# KiCad board rabbit_mask_capacitors_right.kicad_pcb (continued)
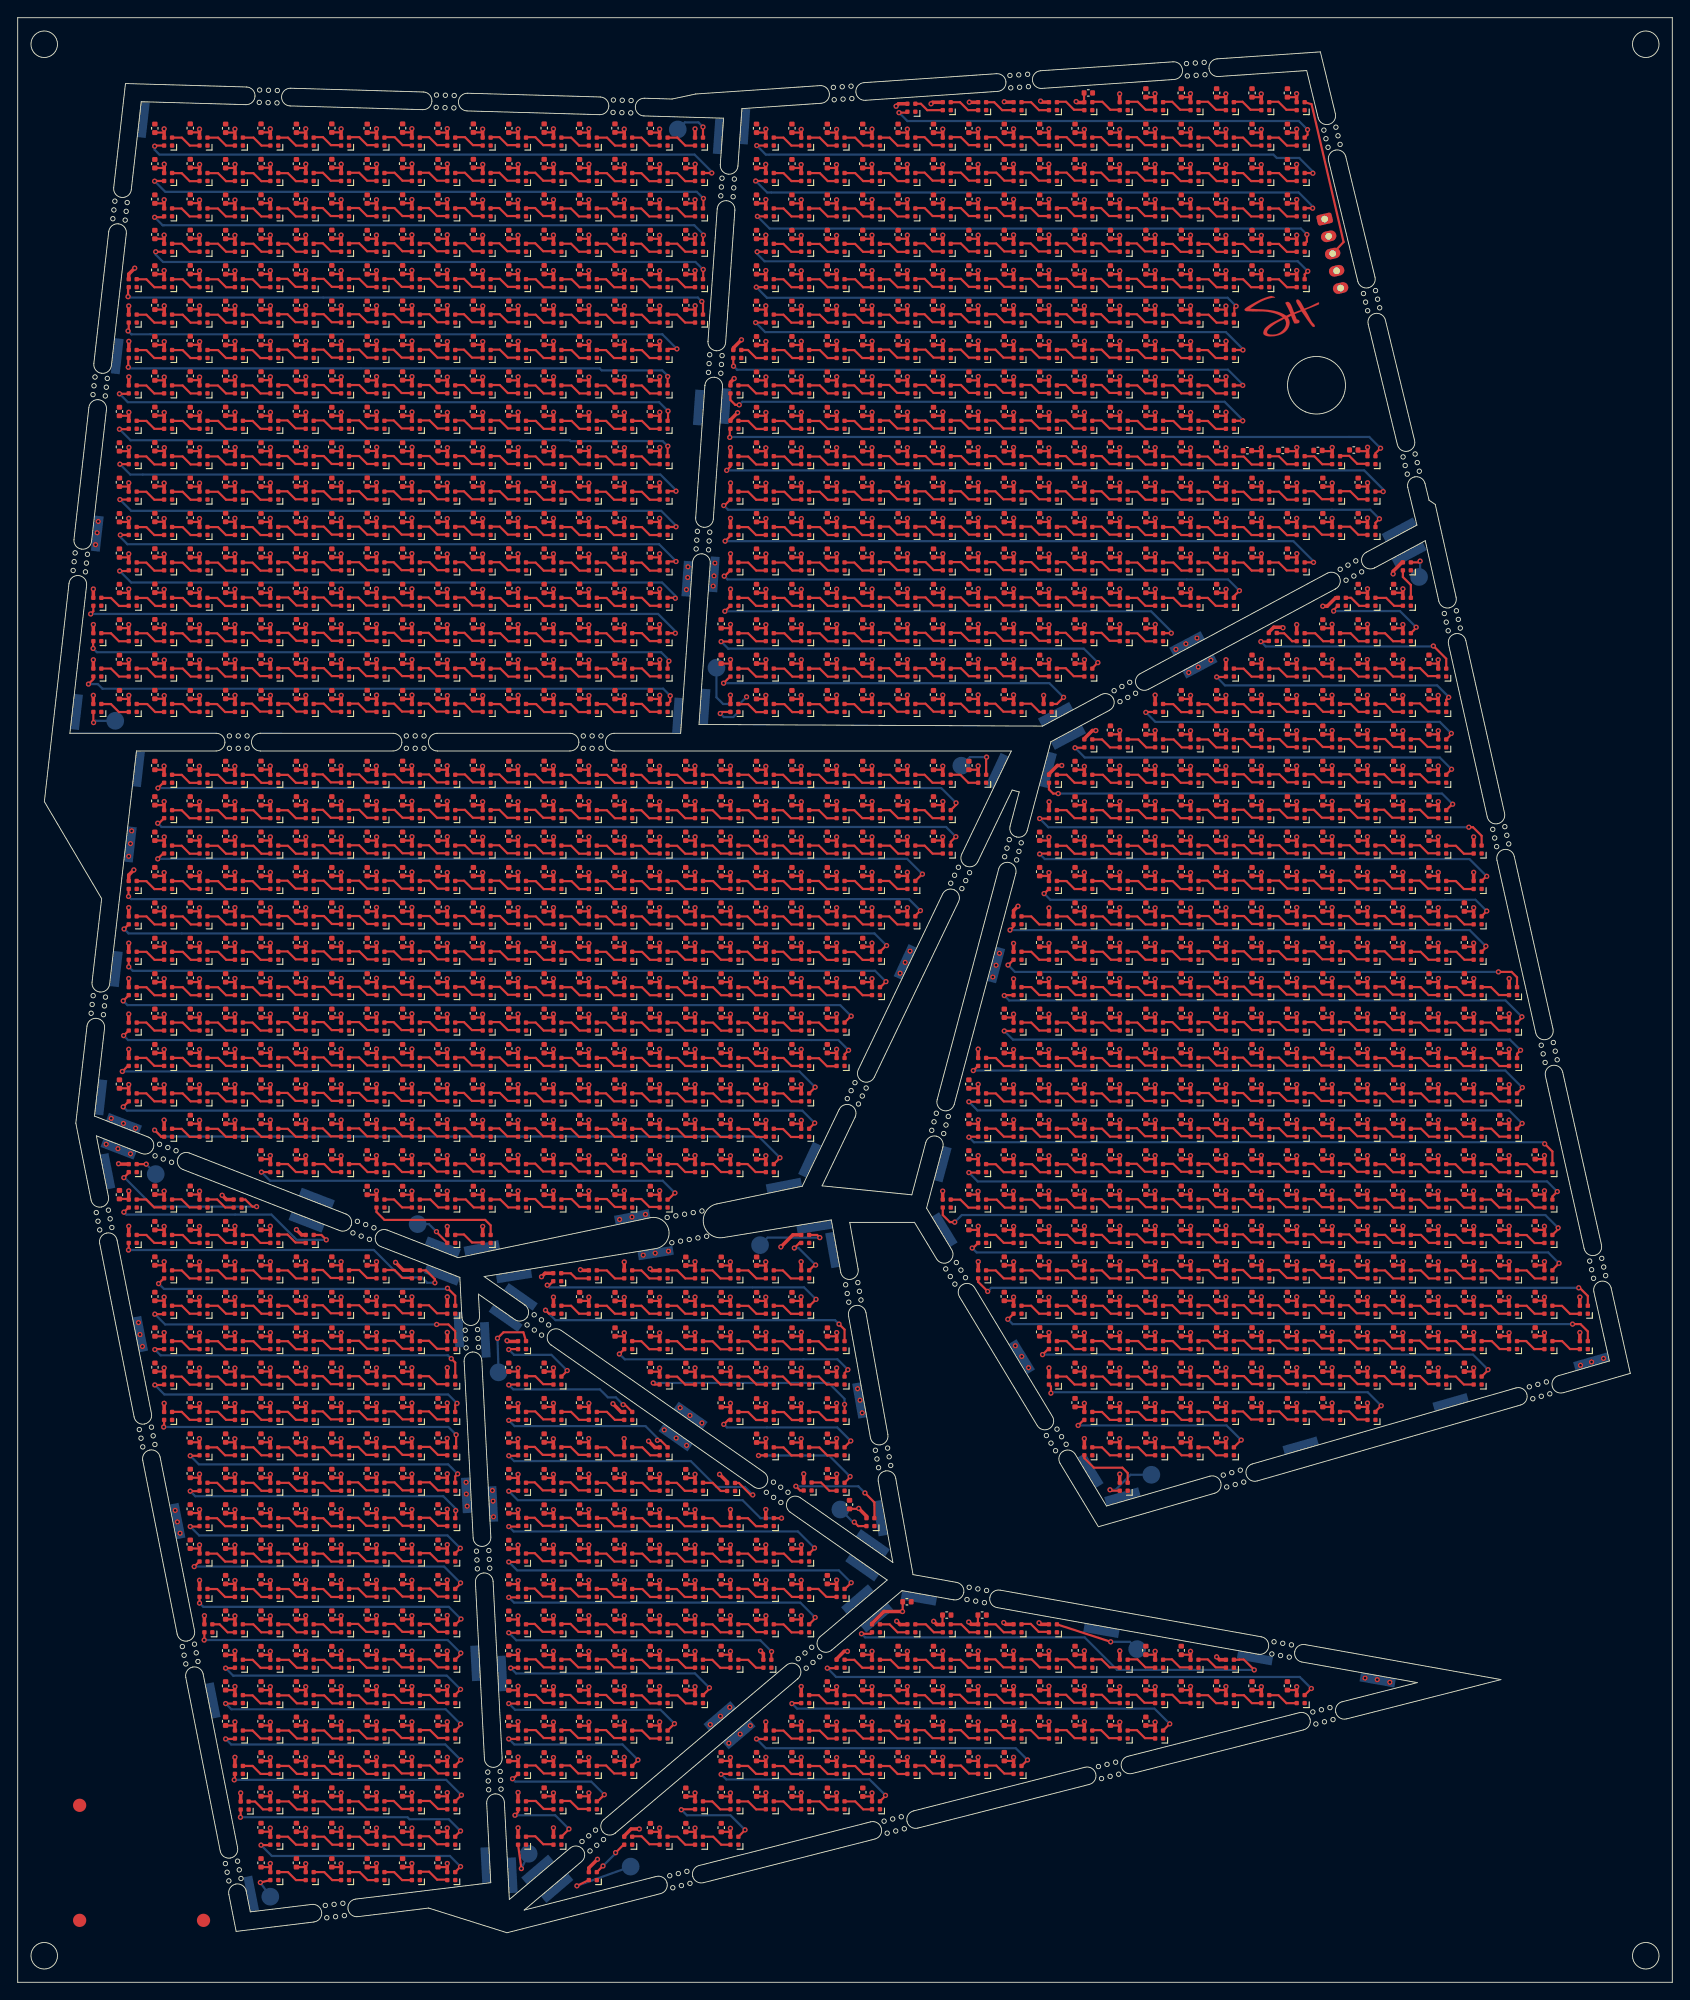
[diagram p0: board, top side]
## Placement (name value [footprint] x y rotation side) (continued)
D2578  SK6812-1515  [LED_SK6812_EC15_1.5x1.5mm]  81 80 180 top
D2579  SK6812-1515  [LED_SK6812_EC15_1.5x1.5mm]  85 80 180 top
D2580  SK6812-1515  [LED_SK6812_EC15_1.5x1.5mm]  89 80 180 top
D2581  SK6812-1515  [LED_SK6812_EC15_1.5x1.5mm]  109 80 180 top
D2582  SK6812-1515  [LED_SK6812_EC15_1.5x1.5mm]  113 80 180 top
D2583  SK6812-1515  [LED_SK6812_EC15_1.5x1.5mm]  117 80 180 top
D2584  SK6812-1515  [LED_SK6812_EC15_1.5x1.5mm]  121 80 180 top
D2585  SK6812-1515  [LED_SK6812_EC15_1.5x1.5mm]  125 80 180 top
D2586  SK6812-1515  [LED_SK6812_EC15_1.5x1.5mm]  129 80 180 top
D2587  SK6812-1515  [LED_SK6812_EC15_1.5x1.5mm]  133 80 180 top
D2588  SK6812-1515  [LED_SK6812_EC15_1.5x1.5mm]  137 80 180 top
D2589  SK6812-1515  [LED_SK6812_EC15_1.5x1.5mm]  141 80 180 top
D2590  SK6812-1515  [LED_SK6812_EC15_1.5x1.5mm]  145 80 180 top
D2591  SK6812-1515  [LED_SK6812_EC15_1.5x1.5mm]  149 80 180 top
D2592  SK6812-1515  [LED_SK6812_EC15_1.5x1.5mm]  153 80 180 top
D2593  SK6812-1515  [LED_SK6812_EC15_1.5x1.5mm]  157 80 180 top
D2594  SK6812-1515  [LED_SK6812_EC15_1.5x1.5mm]  161 80 180 top
D2595  SK6812-1515  [LED_SK6812_EC15_1.5x1.5mm]  165 80 180 top
D2596  SK6812-1515  [LED_SK6812_EC15_1.5x1.5mm]  169 80 180 top
D2597  SK6812-1515  [LED_SK6812_EC15_1.5x1.5mm]  173 80 180 top
D2598  SK6812-1515  [LED_SK6812_EC15_1.5x1.5mm]  17 76 180 top
D2599  SK6812-1515  [LED_SK6812_EC15_1.5x1.5mm]  21 76 180 top
D2600  SK6812-1515  [LED_SK6812_EC15_1.5x1.5mm]  25 76 180 top
D2601  SK6812-1515  [LED_SK6812_EC15_1.5x1.5mm]  29 76 180 top
D2602  SK6812-1515  [LED_SK6812_EC15_1.5x1.5mm]  33 76 180 top
D2603  SK6812-1515  [LED_SK6812_EC15_1.5x1.5mm]  37 76 180 top
D2604  SK6812-1515  [LED_SK6812_EC15_1.5x1.5mm]  41 76 180 top
D2605  SK6812-1515  [LED_SK6812_EC15_1.5x1.5mm]  45 76 180 top
D2606  SK6812-1515  [LED_SK6812_EC15_1.5x1.5mm]  49 76 180 top
D2607  SK6812-1515  [LED_SK6812_EC15_1.5x1.5mm]  61 76 180 top
D2608  SK6812-1515  [LED_SK6812_EC15_1.5x1.5mm]  65 76 180 top
D2609  SK6812-1515  [LED_SK6812_EC15_1.5x1.5mm]  69 76 180 top
D2610  SK6812-1515  [LED_SK6812_EC15_1.5x1.5mm]  73 76 180 top
D2611  SK6812-1515  [LED_SK6812_EC15_1.5x1.5mm]  77 76 180 top
D2612  SK6812-1515  [LED_SK6812_EC15_1.5x1.5mm]  81 76 180 top
D2613  SK6812-1515  [LED_SK6812_EC15_1.5x1.5mm]  85 76 180 top
D2614  SK6812-1515  [LED_SK6812_EC15_1.5x1.5mm]  89 76 180 top
D2615  SK6812-1515  [LED_SK6812_EC15_1.5x1.5mm]  113 76 180 top
D2616  SK6812-1515  [LED_SK6812_EC15_1.5x1.5mm]  117 76 180 top
D2617  SK6812-1515  [LED_SK6812_EC15_1.5x1.5mm]  121 76 180 top
D2618  SK6812-1515  [LED_SK6812_EC15_1.5x1.5mm]  125 76 180 top
D2619  SK6812-1515  [LED_SK6812_EC15_1.5x1.5mm]  129 76 180 top
D2620  SK6812-1515  [LED_SK6812_EC15_1.5x1.5mm]  133 76 180 top
D2621  SK6812-1515  [LED_SK6812_EC15_1.5x1.5mm]  137 76 180 top
D2622  SK6812-1515  [LED_SK6812_EC15_1.5x1.5mm]  141 76 180 top
D2623  SK6812-1515  [LED_SK6812_EC15_1.5x1.5mm]  145 76 180 top
D2624  SK6812-1515  [LED_SK6812_EC15_1.5x1.5mm]  149 76 180 top
D2625  SK6812-1515  [LED_SK6812_EC15_1.5x1.5mm]  153 76 180 top
D2626  SK6812-1515  [LED_SK6812_EC15_1.5x1.5mm]  157 76 180 top
D2627  SK6812-1515  [LED_SK6812_EC15_1.5x1.5mm]  161 76 180 top
D2628  SK6812-1515  [LED_SK6812_EC15_1.5x1.5mm]  165 76 180 top
D2629  SK6812-1515  [LED_SK6812_EC15_1.5x1.5mm]  169 76 180 top
D2630  SK6812-1515  [LED_SK6812_EC15_1.5x1.5mm]  173 76 180 top
D2631  SK6812-1515  [LED_SK6812_EC15_1.5x1.5mm]  177 76 180 top
D2632  SK6812-1515  [LED_SK6812_EC15_1.5x1.5mm]  17 72 180 top
D2633  SK6812-1515  [LED_SK6812_EC15_1.5x1.5mm]  21 72 180 top
D2634  SK6812-1515  [LED_SK6812_EC15_1.5x1.5mm]  25 72 180 top
D2635  SK6812-1515  [LED_SK6812_EC15_1.5x1.5mm]  29 72 180 top
D2636  SK6812-1515  [LED_SK6812_EC15_1.5x1.5mm]  33 72 180 top
D2637  SK6812-1515  [LED_SK6812_EC15_1.5x1.5mm]  37 72 180 top
D2638  SK6812-1515  [LED_SK6812_EC15_1.5x1.5mm]  41 72 180 top
D2639  SK6812-1515  [LED_SK6812_EC15_1.5x1.5mm]  45 72 180 top
D2640  SK6812-1515  [LED_SK6812_EC15_1.5x1.5mm]  49 72 180 top
D2641  SK6812-1515  [LED_SK6812_EC15_1.5x1.5mm]  57 72 180 top
D2642  SK6812-1515  [LED_SK6812_EC15_1.5x1.5mm]  69 72 180 top
D2643  SK6812-1515  [LED_SK6812_EC15_1.5x1.5mm]  73 72 180 top
D2644  SK6812-1515  [LED_SK6812_EC15_1.5x1.5mm]  77 72 180 top
D2645  SK6812-1515  [LED_SK6812_EC15_1.5x1.5mm]  81 72 180 top
D2646  SK6812-1515  [LED_SK6812_EC15_1.5x1.5mm]  85 72 180 top
D2647  SK6812-1515  [LED_SK6812_EC15_1.5x1.5mm]  89 72 180 top
D2648  SK6812-1515  [LED_SK6812_EC15_1.5x1.5mm]  93 72 180 top
D2649  SK6812-1515  [LED_SK6812_EC15_1.5x1.5mm]  117 72 180 top
D2650  SK6812-1515  [LED_SK6812_EC15_1.5x1.5mm]  121 72 180 top
D2651  SK6812-1515  [LED_SK6812_EC15_1.5x1.5mm]  125 72 180 top
D2652  SK6812-1515  [LED_SK6812_EC15_1.5x1.5mm]  129 72 180 top
D2653  SK6812-1515  [LED_SK6812_EC15_1.5x1.5mm]  133 72 180 top
D2654  SK6812-1515  [LED_SK6812_EC15_1.5x1.5mm]  137 72 180 top
D2655  SK6812-1515  [LED_SK6812_EC15_1.5x1.5mm]  141 72 180 top
D2656  SK6812-1515  [LED_SK6812_EC15_1.5x1.5mm]  145 72 180 top
D2657  SK6812-1515  [LED_SK6812_EC15_1.5x1.5mm]  149 72 180 top
D2658  SK6812-1515  [LED_SK6812_EC15_1.5x1.5mm]  153 72 180 top
D2659  SK6812-1515  [LED_SK6812_EC15_1.5x1.5mm]  157 72 180 top
D2660  SK6812-1515  [LED_SK6812_EC15_1.5x1.5mm]  161 72 180 top
D2661  SK6812-1515  [LED_SK6812_EC15_1.5x1.5mm]  165 72 180 top
D2662  SK6812-1515  [LED_SK6812_EC15_1.5x1.5mm]  169 72 180 top
D2663  SK6812-1515  [LED_SK6812_EC15_1.5x1.5mm]  173 72 180 top
D2664  SK6812-1515  [LED_SK6812_EC15_1.5x1.5mm]  177 72 180 top
D2665  SK6812-1515  [LED_SK6812_EC15_1.5x1.5mm]  17 68 180 top
D2666  SK6812-1515  [LED_SK6812_EC15_1.5x1.5mm]  21 68 180 top
D2667  SK6812-1515  [LED_SK6812_EC15_1.5x1.5mm]  25 68 180 top
D2668  SK6812-1515  [LED_SK6812_EC15_1.5x1.5mm]  29 68 180 top
D2669  SK6812-1515  [LED_SK6812_EC15_1.5x1.5mm]  33 68 180 top
D2670  SK6812-1515  [LED_SK6812_EC15_1.5x1.5mm]  37 68 180 top
D2671  SK6812-1515  [LED_SK6812_EC15_1.5x1.5mm]  41 68 180 top
D2672  SK6812-1515  [LED_SK6812_EC15_1.5x1.5mm]  45 68 180 top
D2673  SK6812-1515  [LED_SK6812_EC15_1.5x1.5mm]  49 68 180 top
D2674  SK6812-1515  [LED_SK6812_EC15_1.5x1.5mm]  57 68 180 top
D2675  SK6812-1515  [LED_SK6812_EC15_1.5x1.5mm]  61 68 180 top
D2676  SK6812-1515  [LED_SK6812_EC15_1.5x1.5mm]  73 68 180 top
D2677  SK6812-1515  [LED_SK6812_EC15_1.5x1.5mm]  77 68 180 top
D2678  SK6812-1515  [LED_SK6812_EC15_1.5x1.5mm]  81 68 180 top
D2679  SK6812-1515  [LED_SK6812_EC15_1.5x1.5mm]  85 68 180 top
D2680  SK6812-1515  [LED_SK6812_EC15_1.5x1.5mm]  89 68 180 top
D2681  SK6812-1515  [LED_SK6812_EC15_1.5x1.5mm]  93 68 180 top
D2682  SK6812-1515  [LED_SK6812_EC15_1.5x1.5mm]  117 68 180 top
D2683  SK6812-1515  [LED_SK6812_EC15_1.5x1.5mm]  121 68 180 top
D2684  SK6812-1515  [LED_SK6812_EC15_1.5x1.5mm]  125 68 180 top
D2685  SK6812-1515  [LED_SK6812_EC15_1.5x1.5mm]  129 68 180 top
D2686  SK6812-1515  [LED_SK6812_EC15_1.5x1.5mm]  133 68 180 top
D2687  SK6812-1515  [LED_SK6812_EC15_1.5x1.5mm]  137 68 180 top
D2688  SK6812-1515  [LED_SK6812_EC15_1.5x1.5mm]  141 68 180 top
D2689  SK6812-1515  [LED_SK6812_EC15_1.5x1.5mm]  145 68 180 top
D2690  SK6812-1515  [LED_SK6812_EC15_1.5x1.5mm]  149 68 180 top
D2691  SK6812-1515  [LED_SK6812_EC15_1.5x1.5mm]  153 68 180 top
D2692  SK6812-1515  [LED_SK6812_EC15_1.5x1.5mm]  157 68 180 top
D2693  SK6812-1515  [LED_SK6812_EC15_1.5x1.5mm]  161 68 180 top
D2694  SK6812-1515  [LED_SK6812_EC15_1.5x1.5mm]  165 68 180 top
D2695  SK6812-1515  [LED_SK6812_EC15_1.5x1.5mm]  17 64 180 top
D2696  SK6812-1515  [LED_SK6812_EC15_1.5x1.5mm]  21 64 180 top
D2697  SK6812-1515  [LED_SK6812_EC15_1.5x1.5mm]  25 64 180 top
D2698  SK6812-1515  [LED_SK6812_EC15_1.5x1.5mm]  29 64 180 top
D2699  SK6812-1515  [LED_SK6812_EC15_1.5x1.5mm]  33 64 180 top
D2700  SK6812-1515  [LED_SK6812_EC15_1.5x1.5mm]  37 64 180 top
D2701  SK6812-1515  [LED_SK6812_EC15_1.5x1.5mm]  41 64 180 top
D2702  SK6812-1515  [LED_SK6812_EC15_1.5x1.5mm]  45 64 180 top
D2703  SK6812-1515  [LED_SK6812_EC15_1.5x1.5mm]  49 64 180 top
D2704  SK6812-1515  [LED_SK6812_EC15_1.5x1.5mm]  57 64 180 top
D2705  SK6812-1515  [LED_SK6812_EC15_1.5x1.5mm]  61 64 180 top
D2706  SK6812-1515  [LED_SK6812_EC15_1.5x1.5mm]  65 64 180 top
D2707  SK6812-1515  [LED_SK6812_EC15_1.5x1.5mm]  69 64 180 top
D2708  SK6812-1515  [LED_SK6812_EC15_1.5x1.5mm]  81 64 180 top
D2709  SK6812-1515  [LED_SK6812_EC15_1.5x1.5mm]  85 64 180 top
D2710  SK6812-1515  [LED_SK6812_EC15_1.5x1.5mm]  89 64 180 top
D2711  SK6812-1515  [LED_SK6812_EC15_1.5x1.5mm]  93 64 180 top
D2712  SK6812-1515  [LED_SK6812_EC15_1.5x1.5mm]  121 64 180 top
D2713  SK6812-1515  [LED_SK6812_EC15_1.5x1.5mm]  125 64 180 top
D2714  SK6812-1515  [LED_SK6812_EC15_1.5x1.5mm]  129 64 180 top
D2715  SK6812-1515  [LED_SK6812_EC15_1.5x1.5mm]  133 64 180 top
D2716  SK6812-1515  [LED_SK6812_EC15_1.5x1.5mm]  137 64 180 top
D2717  SK6812-1515  [LED_SK6812_EC15_1.5x1.5mm]  141 64 180 top
D2718  SK6812-1515  [LED_SK6812_EC15_1.5x1.5mm]  145 64 180 top
D2719  SK6812-1515  [LED_SK6812_EC15_1.5x1.5mm]  149 64 180 top
D2720  SK6812-1515  [LED_SK6812_EC15_1.5x1.5mm]  153 64 180 top
D2721  SK6812-1515  [LED_SK6812_EC15_1.5x1.5mm]  21 60 180 top
D2722  SK6812-1515  [LED_SK6812_EC15_1.5x1.5mm]  25 60 180 top
D2723  SK6812-1515  [LED_SK6812_EC15_1.5x1.5mm]  29 60 180 top
D2724  SK6812-1515  [LED_SK6812_EC15_1.5x1.5mm]  33 60 180 top
D2725  SK6812-1515  [LED_SK6812_EC15_1.5x1.5mm]  37 60 180 top
D2726  SK6812-1515  [LED_SK6812_EC15_1.5x1.5mm]  41 60 180 top
D2727  SK6812-1515  [LED_SK6812_EC15_1.5x1.5mm]  45 60 180 top
D2728  SK6812-1515  [LED_SK6812_EC15_1.5x1.5mm]  49 60 180 top
D2729  SK6812-1515  [LED_SK6812_EC15_1.5x1.5mm]  57 60 180 top
D2730  SK6812-1515  [LED_SK6812_EC15_1.5x1.5mm]  61 60 180 top
D2731  SK6812-1515  [LED_SK6812_EC15_1.5x1.5mm]  65 60 180 top
D2732  SK6812-1515  [LED_SK6812_EC15_1.5x1.5mm]  69 60 180 top
D2733  SK6812-1515  [LED_SK6812_EC15_1.5x1.5mm]  73 60 180 top
D2734  SK6812-1515  [LED_SK6812_EC15_1.5x1.5mm]  85 60 180 top
D2735  SK6812-1515  [LED_SK6812_EC15_1.5x1.5mm]  89 60 180 top
D2736  SK6812-1515  [LED_SK6812_EC15_1.5x1.5mm]  93 60 180 top
D2737  SK6812-1515  [LED_SK6812_EC15_1.5x1.5mm]  121 60 180 top
D2738  SK6812-1515  [LED_SK6812_EC15_1.5x1.5mm]  125 60 180 top
D2739  SK6812-1515  [LED_SK6812_EC15_1.5x1.5mm]  129 60 180 top
D2740  SK6812-1515  [LED_SK6812_EC15_1.5x1.5mm]  133 60 180 top
D2741  SK6812-1515  [LED_SK6812_EC15_1.5x1.5mm]  137 60 180 top
D2742  SK6812-1515  [LED_SK6812_EC15_1.5x1.5mm]  21 56 180 top
D2743  SK6812-1515  [LED_SK6812_EC15_1.5x1.5mm]  25 56 180 top
D2744  SK6812-1515  [LED_SK6812_EC15_1.5x1.5mm]  29 56 180 top
D2745  SK6812-1515  [LED_SK6812_EC15_1.5x1.5mm]  33 56 180 top
D2746  SK6812-1515  [LED_SK6812_EC15_1.5x1.5mm]  37 56 180 top
D2747  SK6812-1515  [LED_SK6812_EC15_1.5x1.5mm]  41 56 180 top
D2748  SK6812-1515  [LED_SK6812_EC15_1.5x1.5mm]  45 56 180 top
D2749  SK6812-1515  [LED_SK6812_EC15_1.5x1.5mm]  49 56 180 top
D2750  SK6812-1515  [LED_SK6812_EC15_1.5x1.5mm]  57 56 180 top
D2751  SK6812-1515  [LED_SK6812_EC15_1.5x1.5mm]  61 56 180 top
D2752  SK6812-1515  [LED_SK6812_EC15_1.5x1.5mm]  65 56 180 top
D2753  SK6812-1515  [LED_SK6812_EC15_1.5x1.5mm]  69 56 180 top
D2754  SK6812-1515  [LED_SK6812_EC15_1.5x1.5mm]  73 56 180 top
D2755  SK6812-1515  [LED_SK6812_EC15_1.5x1.5mm]  77 56 180 top
D2756  SK6812-1515  [LED_SK6812_EC15_1.5x1.5mm]  80.62 55.97 180 top
D2757  SK6812-1515  [LED_SK6812_EC15_1.5x1.5mm]  89.27 56.03 180 top
D2758  SK6812-1515  [LED_SK6812_EC15_1.5x1.5mm]  93 56 180 top
D2759  SK6812-1515  [LED_SK6812_EC15_1.5x1.5mm]  125 56 180 top
D2760  SK6812-1515  [LED_SK6812_EC15_1.5x1.5mm]  21 52 180 top
D2761  SK6812-1515  [LED_SK6812_EC15_1.5x1.5mm]  25 52 180 top
D2762  SK6812-1515  [LED_SK6812_EC15_1.5x1.5mm]  29 52 180 top
D2763  SK6812-1515  [LED_SK6812_EC15_1.5x1.5mm]  33 52 180 top
D2764  SK6812-1515  [LED_SK6812_EC15_1.5x1.5mm]  37 52 180 top
D2765  SK6812-1515  [LED_SK6812_EC15_1.5x1.5mm]  41 52 180 top
D2766  SK6812-1515  [LED_SK6812_EC15_1.5x1.5mm]  45 52 180 top
D2767  SK6812-1515  [LED_SK6812_EC15_1.5x1.5mm]  49 52 180 top
D2768  SK6812-1515  [LED_SK6812_EC15_1.5x1.5mm]  57.02 52.03 180 top
D2769  SK6812-1515  [LED_SK6812_EC15_1.5x1.5mm]  61.02 52.03 180 top
D2770  SK6812-1515  [LED_SK6812_EC15_1.5x1.5mm]  65.02 52.03 180 top
D2771  SK6812-1515  [LED_SK6812_EC15_1.5x1.5mm]  69.02 52.03 180 top
D2772  SK6812-1515  [LED_SK6812_EC15_1.5x1.5mm]  73.02 52.03 180 top
D2773  SK6812-1515  [LED_SK6812_EC15_1.5x1.5mm]  77.02 52.03 180 top
D2774  SK6812-1515  [LED_SK6812_EC15_1.5x1.5mm]  81.02 52.03 180 top
D2775  SK6812-1515  [LED_SK6812_EC15_1.5x1.5mm]  85 52 180 top
D2776  SK6812-1515  [LED_SK6812_EC15_1.5x1.5mm]  96.38 52 180 top
D2777  SK6812-1515  [LED_SK6812_EC15_1.5x1.5mm]  21 48 180 top
D2778  SK6812-1515  [LED_SK6812_EC15_1.5x1.5mm]  25 48 180 top
D2779  SK6812-1515  [LED_SK6812_EC15_1.5x1.5mm]  29 48 180 top
D2780  SK6812-1515  [LED_SK6812_EC15_1.5x1.5mm]  33 48 180 top
D2781  SK6812-1515  [LED_SK6812_EC15_1.5x1.5mm]  37 48 180 top
D2782  SK6812-1515  [LED_SK6812_EC15_1.5x1.5mm]  41 48 180 top
D2783  SK6812-1515  [LED_SK6812_EC15_1.5x1.5mm]  45 48 180 top
D2784  SK6812-1515  [LED_SK6812_EC15_1.5x1.5mm]  49 48 180 top
D2785  SK6812-1515  [LED_SK6812_EC15_1.5x1.5mm]  57 48 180 top
D2786  SK6812-1515  [LED_SK6812_EC15_1.5x1.5mm]  61 48 180 top
D2787  SK6812-1515  [LED_SK6812_EC15_1.5x1.5mm]  65 48 180 top
D2788  SK6812-1515  [LED_SK6812_EC15_1.5x1.5mm]  69 48 180 top
D2789  SK6812-1515  [LED_SK6812_EC15_1.5x1.5mm]  73 48 180 top
D2790  SK6812-1515  [LED_SK6812_EC15_1.5x1.5mm]  77 48 180 top
D2791  SK6812-1515  [LED_SK6812_EC15_1.5x1.5mm]  81 48 180 top
D2792  SK6812-1515  [LED_SK6812_EC15_1.5x1.5mm]  85 48 180 top
D2793  SK6812-1515  [LED_SK6812_EC15_1.5x1.5mm]  89 48 180 top
D2794  SK6812-1515  [LED_SK6812_EC15_1.5x1.5mm]  21 44 180 top
D2795  SK6812-1515  [LED_SK6812_EC15_1.5x1.5mm]  25 44 180 top
D2796  SK6812-1515  [LED_SK6812_EC15_1.5x1.5mm]  29 44 180 top
D2797  SK6812-1515  [LED_SK6812_EC15_1.5x1.5mm]  33 44 180 top
D2798  SK6812-1515  [LED_SK6812_EC15_1.5x1.5mm]  37 44 180 top
D2799  SK6812-1515  [LED_SK6812_EC15_1.5x1.5mm]  41 44 180 top
D2800  SK6812-1515  [LED_SK6812_EC15_1.5x1.5mm]  45 44 180 top
D2801  SK6812-1515  [LED_SK6812_EC15_1.5x1.5mm]  49 44 180 top
D2802  SK6812-1515  [LED_SK6812_EC15_1.5x1.5mm]  57 44 180 top
D2803  SK6812-1515  [LED_SK6812_EC15_1.5x1.5mm]  61 44 180 top
D2804  SK6812-1515  [LED_SK6812_EC15_1.5x1.5mm]  65 44 180 top
D2805  SK6812-1515  [LED_SK6812_EC15_1.5x1.5mm]  69 44 180 top
D2806  SK6812-1515  [LED_SK6812_EC15_1.5x1.5mm]  73 44 180 top
D2807  SK6812-1515  [LED_SK6812_EC15_1.5x1.5mm]  77 44 180 top
D2808  SK6812-1515  [LED_SK6812_EC15_1.5x1.5mm]  81 44 180 top
D2809  SK6812-1515  [LED_SK6812_EC15_1.5x1.5mm]  85 44 180 top
D2810  SK6812-1515  [LED_SK6812_EC15_1.5x1.5mm]  89 44 180 top
D2811  SK6812-1515  [LED_SK6812_EC15_1.5x1.5mm]  93 44 180 top
D2812  SK6812-1515  [LED_SK6812_EC15_1.5x1.5mm]  21.55 40 180 top
D2813  SK6812-1515  [LED_SK6812_EC15_1.5x1.5mm]  25 40 180 top
D2814  SK6812-1515  [LED_SK6812_EC15_1.5x1.5mm]  29 40 180 top
D2815  SK6812-1515  [LED_SK6812_EC15_1.5x1.5mm]  33 40 180 top
D2816  SK6812-1515  [LED_SK6812_EC15_1.5x1.5mm]  37 40 180 top
D2817  SK6812-1515  [LED_SK6812_EC15_1.5x1.5mm]  41 40 180 top
D2818  SK6812-1515  [LED_SK6812_EC15_1.5x1.5mm]  45 40 180 top
D2819  SK6812-1515  [LED_SK6812_EC15_1.5x1.5mm]  49 40 180 top
D2820  SK6812-1515  [LED_SK6812_EC15_1.5x1.5mm]  57 40 180 top
D2821  SK6812-1515  [LED_SK6812_EC15_1.5x1.5mm]  61 40 180 top
D2822  SK6812-1515  [LED_SK6812_EC15_1.5x1.5mm]  65 40 180 top
D2823  SK6812-1515  [LED_SK6812_EC15_1.5x1.5mm]  69 40 180 top
D2824  SK6812-1515  [LED_SK6812_EC15_1.5x1.5mm]  73 40 180 top
D2825  SK6812-1515  [LED_SK6812_EC15_1.5x1.5mm]  77 40 180 top
D2826  SK6812-1515  [LED_SK6812_EC15_1.5x1.5mm]  81 40 180 top
D2827  SK6812-1515  [LED_SK6812_EC15_1.5x1.5mm]  85 40 180 top
D2828  SK6812-1515  [LED_SK6812_EC15_1.5x1.5mm]  89 40 180 top
D2829  SK6812-1515  [LED_SK6812_EC15_1.5x1.5mm]  97 40 180 top
D2830  SK6812-1515  [LED_SK6812_EC15_1.5x1.5mm]  101 40 180 top
D2831  SK6812-1515  [LED_SK6812_EC15_1.5x1.5mm]  105 40 180 top
D2832  SK6812-1515  [LED_SK6812_EC15_1.5x1.5mm]  109 40 180 top
D2833  SK6812-1515  [LED_SK6812_EC15_1.5x1.5mm]  113 40 180 top
D2834  SK6812-1515  [LED_SK6812_EC15_1.5x1.5mm]  117 40 180 top
D2835  SK6812-1515  [LED_SK6812_EC15_1.5x1.5mm]  25 36 180 top
D2836  SK6812-1515  [LED_SK6812_EC15_1.5x1.5mm]  29 36 180 top
D2837  SK6812-1515  [LED_SK6812_EC15_1.5x1.5mm]  33 36 180 top
D2838  SK6812-1515  [LED_SK6812_EC15_1.5x1.5mm]  37 36 180 top
D2839  SK6812-1515  [LED_SK6812_EC15_1.5x1.5mm]  41 36 180 top
D2840  SK6812-1515  [LED_SK6812_EC15_1.5x1.5mm]  45 36 180 top
D2841  SK6812-1515  [LED_SK6812_EC15_1.5x1.5mm]  49 36 180 top
D2842  SK6812-1515  [LED_SK6812_EC15_1.5x1.5mm]  57 36 180 top
D2843  SK6812-1515  [LED_SK6812_EC15_1.5x1.5mm]  61 36 180 top
D2844  SK6812-1515  [LED_SK6812_EC15_1.5x1.5mm]  65 36 180 top
D2845  SK6812-1515  [LED_SK6812_EC15_1.5x1.5mm]  69 36 180 top
D2846  SK6812-1515  [LED_SK6812_EC15_1.5x1.5mm]  73 36 180 top
D2847  SK6812-1515  [LED_SK6812_EC15_1.5x1.5mm]  77 36 180 top
D2848  SK6812-1515  [LED_SK6812_EC15_1.5x1.5mm]  81 36 180 top
D2849  SK6812-1515  [LED_SK6812_EC15_1.5x1.5mm]  84.73 36 180 top
D2850  SK6812-1515  [LED_SK6812_EC15_1.5x1.5mm]  93 36 180 top
D2851  SK6812-1515  [LED_SK6812_EC15_1.5x1.5mm]  97 36 180 top
D2852  SK6812-1515  [LED_SK6812_EC15_1.5x1.5mm]  101 36 180 top
D2853  SK6812-1515  [LED_SK6812_EC15_1.5x1.5mm]  105 36 180 top
D2854  SK6812-1515  [LED_SK6812_EC15_1.5x1.5mm]  109 36 180 top
D2855  SK6812-1515  [LED_SK6812_EC15_1.5x1.5mm]  113 36 180 top
D2856  SK6812-1515  [LED_SK6812_EC15_1.5x1.5mm]  117 36 180 top
D2857  SK6812-1515  [LED_SK6812_EC15_1.5x1.5mm]  121 36 180 top
D2858  SK6812-1515  [LED_SK6812_EC15_1.5x1.5mm]  125 36 180 top
D2859  SK6812-1515  [LED_SK6812_EC15_1.5x1.5mm]  129 36 180 top
D2860  SK6812-1515  [LED_SK6812_EC15_1.5x1.5mm]  133 36 180 top
D2861  SK6812-1515  [LED_SK6812_EC15_1.5x1.5mm]  137 36 180 top
D2862  SK6812-1515  [LED_SK6812_EC15_1.5x1.5mm]  25 32 180 top
D2863  SK6812-1515  [LED_SK6812_EC15_1.5x1.5mm]  29 32 180 top
D2864  SK6812-1515  [LED_SK6812_EC15_1.5x1.5mm]  33 32 180 top
D2865  SK6812-1515  [LED_SK6812_EC15_1.5x1.5mm]  37 32 180 top
D2866  SK6812-1515  [LED_SK6812_EC15_1.5x1.5mm]  41 32 180 top
D2867  SK6812-1515  [LED_SK6812_EC15_1.5x1.5mm]  45 32 180 top
D2868  SK6812-1515  [LED_SK6812_EC15_1.5x1.5mm]  49 32 180 top
D2869  SK6812-1515  [LED_SK6812_EC15_1.5x1.5mm]  57 32 180 top
D2870  SK6812-1515  [LED_SK6812_EC15_1.5x1.5mm]  61 32 180 top
D2871  SK6812-1515  [LED_SK6812_EC15_1.5x1.5mm]  65 32 180 top
D2872  SK6812-1515  [LED_SK6812_EC15_1.5x1.5mm]  69 32 180 top
D2873  SK6812-1515  [LED_SK6812_EC15_1.5x1.5mm]  73 32 180 top
D2874  SK6812-1515  [LED_SK6812_EC15_1.5x1.5mm]  77 32 180 top
D2875  SK6812-1515  [LED_SK6812_EC15_1.5x1.5mm]  89 32 180 top
D2876  SK6812-1515  [LED_SK6812_EC15_1.5x1.5mm]  93 32 180 top
D2877  SK6812-1515  [LED_SK6812_EC15_1.5x1.5mm]  97 32 180 top
D2878  SK6812-1515  [LED_SK6812_EC15_1.5x1.5mm]  101 32 180 top
D2879  SK6812-1515  [LED_SK6812_EC15_1.5x1.5mm]  105 32 180 top
D2880  SK6812-1515  [LED_SK6812_EC15_1.5x1.5mm]  109 32 180 top
D2881  SK6812-1515  [LED_SK6812_EC15_1.5x1.5mm]  113 32 180 top
D2882  SK6812-1515  [LED_SK6812_EC15_1.5x1.5mm]  117 32 180 top
D2883  SK6812-1515  [LED_SK6812_EC15_1.5x1.5mm]  121 32 180 top
D2884  SK6812-1515  [LED_SK6812_EC15_1.5x1.5mm]  125 32 180 top
D2885  SK6812-1515  [LED_SK6812_EC15_1.5x1.5mm]  129 32 180 top
D2886  SK6812-1515  [LED_SK6812_EC15_1.5x1.5mm]  133 32 180 top
D2887  SK6812-1515  [LED_SK6812_EC15_1.5x1.5mm]  137 32 180 top
D2888  SK6812-1515  [LED_SK6812_EC15_1.5x1.5mm]  141 32 180 top
D2889  SK6812-1515  [LED_SK6812_EC15_1.5x1.5mm]  145 32 180 top
D2890  SK6812-1515  [LED_SK6812_EC15_1.5x1.5mm]  25 28 180 top
D2891  SK6812-1515  [LED_SK6812_EC15_1.5x1.5mm]  29 28 180 top
D2892  SK6812-1515  [LED_SK6812_EC15_1.5x1.5mm]  33 28 180 top
D2893  SK6812-1515  [LED_SK6812_EC15_1.5x1.5mm]  37 28 180 top
D2894  SK6812-1515  [LED_SK6812_EC15_1.5x1.5mm]  41 28 180 top
D2895  SK6812-1515  [LED_SK6812_EC15_1.5x1.5mm]  45 28 180 top
D2896  SK6812-1515  [LED_SK6812_EC15_1.5x1.5mm]  49 28 180 top
D2897  SK6812-1515  [LED_SK6812_EC15_1.5x1.5mm]  57 28 180 top
D2898  SK6812-1515  [LED_SK6812_EC15_1.5x1.5mm]  61 28 180 top
D2899  SK6812-1515  [LED_SK6812_EC15_1.5x1.5mm]  65 28 180 top
D2900  SK6812-1515  [LED_SK6812_EC15_1.5x1.5mm]  69 28 180 top
D2901  SK6812-1515  [LED_SK6812_EC15_1.5x1.5mm]  73 28 180 top
D2902  SK6812-1515  [LED_SK6812_EC15_1.5x1.5mm]  85 28 180 top
D2903  SK6812-1515  [LED_SK6812_EC15_1.5x1.5mm]  89 28 180 top
D2904  SK6812-1515  [LED_SK6812_EC15_1.5x1.5mm]  93 28 180 top
D2905  SK6812-1515  [LED_SK6812_EC15_1.5x1.5mm]  97 28 180 top
D2906  SK6812-1515  [LED_SK6812_EC15_1.5x1.5mm]  101 28 180 top
D2907  SK6812-1515  [LED_SK6812_EC15_1.5x1.5mm]  105 28 180 top
D2908  SK6812-1515  [LED_SK6812_EC15_1.5x1.5mm]  109 28 180 top
D2909  SK6812-1515  [LED_SK6812_EC15_1.5x1.5mm]  113 28 180 top
D2910  SK6812-1515  [LED_SK6812_EC15_1.5x1.5mm]  117 28 180 top
D2911  SK6812-1515  [LED_SK6812_EC15_1.5x1.5mm]  121 28 180 top
D2912  SK6812-1515  [LED_SK6812_EC15_1.5x1.5mm]  125 28 180 top
D2913  SK6812-1515  [LED_SK6812_EC15_1.5x1.5mm]  129 28 180 top
D2914  SK6812-1515  [LED_SK6812_EC15_1.5x1.5mm]  25 24 180 top
D2915  SK6812-1515  [LED_SK6812_EC15_1.5x1.5mm]  29 24 180 top
D2916  SK6812-1515  [LED_SK6812_EC15_1.5x1.5mm]  33 24 180 top
D2917  SK6812-1515  [LED_SK6812_EC15_1.5x1.5mm]  37 24 180 top
D2918  SK6812-1515  [LED_SK6812_EC15_1.5x1.5mm]  41 24 180 top
D2919  SK6812-1515  [LED_SK6812_EC15_1.5x1.5mm]  45 24 180 top
D2920  SK6812-1515  [LED_SK6812_EC15_1.5x1.5mm]  49 24 180 top
D2921  SK6812-1515  [LED_SK6812_EC15_1.5x1.5mm]  57 24 180 top
D2922  SK6812-1515  [LED_SK6812_EC15_1.5x1.5mm]  61 24 180 top
D2923  SK6812-1515  [LED_SK6812_EC15_1.5x1.5mm]  65 24 180 top
D2924  SK6812-1515  [LED_SK6812_EC15_1.5x1.5mm]  69 24 180 top
D2925  SK6812-1515  [LED_SK6812_EC15_1.5x1.5mm]  81 24 180 top
D2926  SK6812-1515  [LED_SK6812_EC15_1.5x1.5mm]  85 24 180 top
D2927  SK6812-1515  [LED_SK6812_EC15_1.5x1.5mm]  89 24 180 top
D2928  SK6812-1515  [LED_SK6812_EC15_1.5x1.5mm]  93 24 180 top
D2929  SK6812-1515  [LED_SK6812_EC15_1.5x1.5mm]  97 24 180 top
D2930  SK6812-1515  [LED_SK6812_EC15_1.5x1.5mm]  101 24 180 top
D2931  SK6812-1515  [LED_SK6812_EC15_1.5x1.5mm]  105 24 180 top
D2932  SK6812-1515  [LED_SK6812_EC15_1.5x1.5mm]  109 24 180 top
D2933  SK6812-1515  [LED_SK6812_EC15_1.5x1.5mm]  113 24 180 top
D2934  SK6812-1515  [LED_SK6812_EC15_1.5x1.5mm]  25.65 19.97 180 top
D2935  SK6812-1515  [LED_SK6812_EC15_1.5x1.5mm]  29 20 180 top
D2936  SK6812-1515  [LED_SK6812_EC15_1.5x1.5mm]  33 20 180 top
D2937  SK6812-1515  [LED_SK6812_EC15_1.5x1.5mm]  37 20 180 top
D2938  SK6812-1515  [LED_SK6812_EC15_1.5x1.5mm]  41 20 180 top
D2939  SK6812-1515  [LED_SK6812_EC15_1.5x1.5mm]  45 20 180 top
D2940  SK6812-1515  [LED_SK6812_EC15_1.5x1.5mm]  49 20 180 top
D2941  SK6812-1515  [LED_SK6812_EC15_1.5x1.5mm]  57 20 180 top
D2942  SK6812-1515  [LED_SK6812_EC15_1.5x1.5mm]  61 20 180 top
D2943  SK6812-1515  [LED_SK6812_EC15_1.5x1.5mm]  65 20 180 top
D2944  SK6812-1515  [LED_SK6812_EC15_1.5x1.5mm]  77 20 180 top
D2945  SK6812-1515  [LED_SK6812_EC15_1.5x1.5mm]  81 20 180 top
D2946  SK6812-1515  [LED_SK6812_EC15_1.5x1.5mm]  85 20 180 top
D2947  SK6812-1515  [LED_SK6812_EC15_1.5x1.5mm]  89 20 180 top
D2948  SK6812-1515  [LED_SK6812_EC15_1.5x1.5mm]  93 20 180 top
D2949  SK6812-1515  [LED_SK6812_EC15_1.5x1.5mm]  97 20 180 top
D2950  SK6812-1515  [LED_SK6812_EC15_1.5x1.5mm]  29 16 180 top
D2951  SK6812-1515  [LED_SK6812_EC15_1.5x1.5mm]  33 16 180 top
D2952  SK6812-1515  [LED_SK6812_EC15_1.5x1.5mm]  37 16 180 top
D2953  SK6812-1515  [LED_SK6812_EC15_1.5x1.5mm]  41 16 180 top
D2954  SK6812-1515  [LED_SK6812_EC15_1.5x1.5mm]  45 16 180 top
D2955  SK6812-1515  [LED_SK6812_EC15_1.5x1.5mm]  49 16 180 top
D2956  SK6812-1515  [LED_SK6812_EC15_1.5x1.5mm]  57 16 180 top
D2957  SK6812-1515  [LED_SK6812_EC15_1.5x1.5mm]  61 16 180 top
D2958  SK6812-1515  [LED_SK6812_EC15_1.5x1.5mm]  69 16 180 top
D2959  SK6812-1515  [LED_SK6812_EC15_1.5x1.5mm]  73 16 180 top
D2960  SK6812-1515  [LED_SK6812_EC15_1.5x1.5mm]  77 16 180 top
D2961  SK6812-1515  [LED_SK6812_EC15_1.5x1.5mm]  81 16 180 top
D2962  SK6812-1515  [LED_SK6812_EC15_1.5x1.5mm]  29 12 180 top
D2963  SK6812-1515  [LED_SK6812_EC15_1.5x1.5mm]  33 12 180 top
D2964  SK6812-1515  [LED_SK6812_EC15_1.5x1.5mm]  37 12 180 top
D2965  SK6812-1515  [LED_SK6812_EC15_1.5x1.5mm]  41 12 180 top
D2966  SK6812-1515  [LED_SK6812_EC15_1.5x1.5mm]  45 12 180 top
D2967  SK6812-1515  [LED_SK6812_EC15_1.5x1.5mm]  49 12 180 top
D2968  SK6812-1515  [LED_SK6812_EC15_1.5x1.5mm]  65 12 180 top
G***  LOGO  [SH_Logo_cu]  143.1 188.5 15 top
G***#2  LOGO  [SH_Logo]  143.1 188.5 15 top
J1486  Conn_01x05  [JST_PH_S5B-PH-K_1x05_P2.00mm_Horizontal]  147.71 199.25 283 bottom
J1487  Bridge  [1x4_SMD_edge]  48.05 83.1 69 bottom
J1487#2  Bridge  [1x4_SMD_edge]  139.82 36.65 260 bottom
J1487#3  Bridge  [1x4_SMD_edge]  54.75 34.9 3 bottom
J1487#4  Bridge  [1x4_SMD_edge]  52.9 13.25 3 bottom
J1487#5  Bridge  [1x4_SMD_edge]  86.6 90.05 101 bottom
J1487#6  Bridge  [1x4_SMD_edge]  96.65 49.65 55 bottom
J1487#7  Bridge  [1x4_SMD_edge]  49.85 73.75 3 bottom
J1487#8  Bridge  [1x4_SMD_edge]  56.85 77.45 55 bottom
J1487#9  Bridge  [1x4_SMD_edge]  95.45 46.85 55 bottom
J1487#10  Bridge  [1x4_SMD_edge]  110.7 136.9 335 bottom
J1487#11  Bridge  [1x4_SMD_edge]  51.75 36.05 3 bottom
J1487#12  Bridge  [1x4_SMD_edge]  9.4 100 353.5 bottom
J1487#13  Bridge  [1x4_SMD_edge]  13.65 137.1 353.5 bottom
J1487#14  Bridge  [1x4_SMD_edge]  11.25 183.75 353.5 bottom
J1487#15  Bridge  [1x4_SMD_edge]  104.75 85.05 211.5 bottom
J1487#16  Bridge  [1x4_SMD_edge]  56.1 79.8 99 bottom
J1487#17  Bridge  [1x4_SMD_edge]  60.95 10.65 130.5 bottom
J1487#18  Bridge  [1x4_SMD_edge]  97.45 52.45 190 bottom
J1487#19  Bridge  [1x4_SMD_edge]  145 60.65 286 bottom
J1487#20  Bridge  [1x4_SMD_edge]  156.15 164.15 118 bottom
J1487#21  Bridge  [1x4_SMD_edge]  101.85 43.4 260 bottom
J1487#22  Bridge  [1x4_SMD_edge]  118.75 140.65 118 bottom
J1487#23  Bridge  [1x4_SMD_edge]  55.9 12.1 3 bottom
J1487#24  Bridge  [1x4_SMD_edge]  90.05 85.35 99 bottom
J1487#25  Bridge  [1x4_SMD_edge]  6.65 143.55 353.5 bottom
J1487#26  Bridge  [1x4_SMD_edge]  52.45 83 101 bottom
J1487#27  Bridge  [1x4_SMD_edge]  55.15 75.05 55 bottom
J1487#28  Bridge  [1x4_SMD_edge]  94.9 43.3 130.5 bottom
J1487#29  Bridge  [1x4_SMD_edge]  92.1 82.75 190 bottom
J1487#30  Bridge  [1x4_SMD_edge]  97.1 41.2 130.5 bottom
J1487#31  Bridge  [1x4_SMD_edge]  157.25 161.35 118 bottom
J1487#32  Bridge  [1x4_SMD_edge]  47.95 79.9 69 bottom
J1487#33  Bridge  [1x4_SMD_edge]  104.55 92.45 345 bottom
J1487#34  Bridge  [1x4_SMD_edge]  116.45 137 345 bottom
J1487#35  Bridge  [1x4_SMD_edge]  121.25 57.85 211.5 bottom
J1487#36  Bridge  [1x4_SMD_edge]  58.75 12.75 130.5 bottom
J1487#37  Bridge  [1x4_SMD_edge]  10.15 91.65 11.2 bottom
J1487#38  Bridge  [1x4_SMD_edge]  22.05 31.85 11.2 bottom
J1487#39  Bridge  [1x4_SMD_edge]  26.4 10 11.2 bottom
J1487#40  Bridge  [1x4_SMD_edge]  32.65 85.9 69 bottom
J1487#41  Bridge  [1x4_SMD_edge]  117.3 143.3 118 bottom
J1487#42  Bridge  [1x4_SMD_edge]  161.95 65.55 286 bottom
J1487#43  Bridge  [1x4_SMD_edge]  11.15 114.5 353.5 bottom
J1487#44  Bridge  [1x4_SMD_edge]  79.2 208.6 176 bottom
J1487#45  Bridge  [1x4_SMD_edge]  124.85 54.9 106 bottom
J1487#46  Bridge  [1x4_SMD_edge]  122.48 39.73 260 bottom
J1487#47  Bridge  [1x4_SMD_edge]  89.5 92.95 335 bottom
J1487#48  Bridge  [1x4_SMD_edge]  52.85 72.6 3 bottom
J1487#49  Bridge  [1x4_SMD_edge]  14.2 210.45 173.5 bottom
J1487#50  Bridge  [1x4_SMD_edge]  33.8 88.6 69 bottom
J1488  Bridge  [1x4_SMD_edge]  77.65 144.15 176 bottom
J1489  Bridge  [1x4_SMD_edge]  80 178.1 176 bottom
J1490  Bridge  [1x4_SMD_edge]  76.95 177.95 176 bottom
J1491  Bridge  [1x4_SMD_edge]  74.6 143.15 176 bottom
J1492  Bridge  [1x4_SMD_edge]  82.15 209.7 356 bottom
J1493  Bridge  [1x4_SMD_edge]  110.6 114.95 345 bottom
J1493#2  Bridge  [1x4_SMD_edge]  133.6 148.7 118 bottom
J1493#3  Bridge  [1x4_SMD_edge]  50.7 55.03 3 bottom
J1493#4  Bridge  [1x4_SMD_edge]  12 97.05 69 bottom
J1493#5  Bridge  [1x4_SMD_edge]  69.45 86.5 101 bottom
J1493#6  Bridge  [1x4_SMD_edge]  76.05 64.05 55 bottom
J1493#7  Bridge  [1x4_SMD_edge]  18.07 52.12 11.2 bottom
J1493#8  Bridge  [1x4_SMD_edge]  100.3 115.3 335 bottom
J1493#9  Bridge  [1x4_SMD_edge]  95.15 65.75 190 bottom
J1493#10  Bridge  [1x4_SMD_edge]  132.15 151.3 118 bottom
J1493#11  Bridge  [1x4_SMD_edge]  75.65 158.6 176 bottom
J1493#12  Bridge  [1x4_SMD_edge]  12.73 128.58 353.5 bottom
J1493#13  Bridge  [1x4_SMD_edge]  74.35 61.55 55 bottom
J1493#14  Bridge  [1x4_SMD_edge]  177.85 70.15 286 bottom
J1493#15  Bridge  [1x4_SMD_edge]  79.35 30.1 130.5 bottom
J1493#16  Bridge  [1x4_SMD_edge]  153.7 34.15 260 bottom
J1493#17  Bridge  [1x4_SMD_edge]  9 163.7 353.5 bottom
J1493#18  Bridge  [1x4_SMD_edge]  78.7 159.1 176 bottom
J1493#19  Bridge  [1x4_SMD_edge]  53.7 54.05 3 bottom
J1493#20  Bridge  [1x4_SMD_edge]  81.55 28 130.5 bottom
J1493#21  Bridge  [1x4_SMD_edge]  113.5 70.7 211.5 bottom
J1493#22  Bridge  [1x4_SMD_edge]  11.4 94.15 69 bottom
J1493#23  Bridge  [1x4_SMD_edge]  72.1 82.4 99 bottom
J1493#24  Bridge  [1x4_SMD_edge]  13.85 73.25 11.2 bottom
kibuzzard-67073EC5  G***  [kibuzzard-67073EC5]  82.02 148.15 180 bottom
kibuzzard-67073EC5#2  G***  [kibuzzard-67073EC5]  72.12 207.88 180 bottom
kibuzzard-67073ED8  G***  [kibuzzard-67073ED8]  158.77 156.53 180 bottom
kibuzzard-67073ED8#2  G***  [kibuzzard-67073ED8]  14.1 142.6 180 bottom
kibuzzard-67073EEE  G***  [kibuzzard-67073EEE]  105.12 135.47 180 bottom
kibuzzard-67073EEE#2  G***  [kibuzzard-67073EEE]  130.8 58.03 180 bottom
kibuzzard-67073F2A  G***  [kibuzzard-67073F2A]  90.65 55.12 180 bottom
kibuzzard-67073F2A#2  G***  [kibuzzard-67073F2A]  128.88 36.07 180 bottom
kibuzzard-67073F04  G***  [kibuzzard-67073F04]  42.53 86.75 180 bottom
kibuzzard-67073F04#2  G***  [kibuzzard-67073F04]  81.02 82.95 180 bottom
kibuzzard-67073F5B  G***  [kibuzzard-67073F5B]  60.02 16.12 180 bottom
kibuzzard-67073F5B#2  G***  [kibuzzard-67073F5B]  18.45 90.53 180 bottom
kibuzzard-67073F41  G***  [kibuzzard-67073F41]  57.43 68.2 180 bottom
kibuzzard-67073F41#2  G***  [kibuzzard-67073F41]  72.2 14.12 180 bottom
REF**  -  [Fiducial_1.5mm_Mask3mm]  7 20 0 top
REF**#2  -  [Fiducial_1.5mm_Mask3mm]  21 7 0 top
REF**#3  -  [Fiducial_1.5mm_Mask3mm]  7 7 0 top
TP1485  LED_JMP  [TestPoint_Pad_D3.0mm]  11.03 142.55 180 bottom
TP1486  LED_JMP  [TestPoint_Pad_D3.0mm]  78.98 148.55 180 bottom
TP1487  LED_JMP  [TestPoint_Pad_D3.0mm]  45.2 85.68 180 bottom
TP1488  LED_JMP  [TestPoint_Pad_D3.0mm]  28.55 9.68 180 bottom
TP1489  LED_JMP  [TestPoint_Pad_D3.0mm]  57.75 14.53 180 bottom
TP1490  LED_JMP  [TestPoint_Pad_D3.0mm]  69.27 13.07 180 bottom
TP1491  LED_JMP  [TestPoint_Pad_D3.0mm]  92.98 53.43 180 bottom
TP1492  LED_JMP  [TestPoint_Pad_D3.0mm]  128.12 57.35 180 bottom
TP1493  LED_JMP  [TestPoint_Pad_D3.0mm]  74.6 209.38 180 bottom
TP1494  LED_JMP  [TestPoint_Pad_D3.0mm]  158.38 158.8 180 bottom
TP1495  LED_JMP  [TestPoint_Pad_D3.0mm]  106.65 137.47 180 bottom
TP1496  LED_JMP  [TestPoint_Pad_D3.0mm]  83.9 83.3 180 bottom
TP1497  LED_JMP  [TestPoint_Pad_D3.0mm]  15.6 91.32 180 bottom
TP1498  LED_JMP  [TestPoint_Pad_D3.0mm]  54.35 68.93 180 bottom
TP1499  LED_JMP  [TestPoint_Pad_D3.0mm]  126.52 37.65 180 bottom

## Library data of the parts
C1485 C1485#2-C1485#1379 = -: Description: Unpolarized capacitor, small symbol
D1485-D1658 D1660-D1690 D1694-D2968 = -: Description: RGB LED with integrated controller; Field4: 1
J1486 = -: Description: Generic connector, single row, 01x05, script generated (kicad-library-utils/schlib/autogen/connector/)
J1487 J1487#2-J1487#50 J1488-J1493 J1493#2-J1493#24 = -: Description: Generic connector, single row, 01x01, script generated (kicad-library-utils/schlib/autogen/connector/)
TP1485-TP1499 = -: Description: test point

## Footprints (pads in the part's own frame, mm; a bottom-side part is the same pattern mirrored in y, then rotated)
1x4_SMD_edge
  rect 1x4 smd: 1(0,0)
C_0402_1005Metric
  rrect 0.56x0.62 smd: 1(-0.48,0) 2(0.48,0)
Fiducial_1.5mm_Mask3mm
  round 1.5 smd: (0,0)
JST_PH_S5B-PH-K_1x05_P2.00mm_Horizontal
  rrect 1.2x1.75 hole 0.75: 1(0,0)
  oval 1.2x1.75 hole 0.75: 2(2,0) 3(4,0) 4(6,0) 5(8,0)
LED_SK6812_EC15_1.5x1.5mm
  rrect 0.5x0.5 smd: 1(-0.45,-0.45) 2(0.45,-0.45) 3(0.45,0.45) 4(-0.45,0.45)
TestPoint_Pad_D3.0mm
  round 2 smd: 1(0,0)

## Nets
